# Altium PCB AVALON2_21b.PcbDoc (part 4 of 7) (continued)
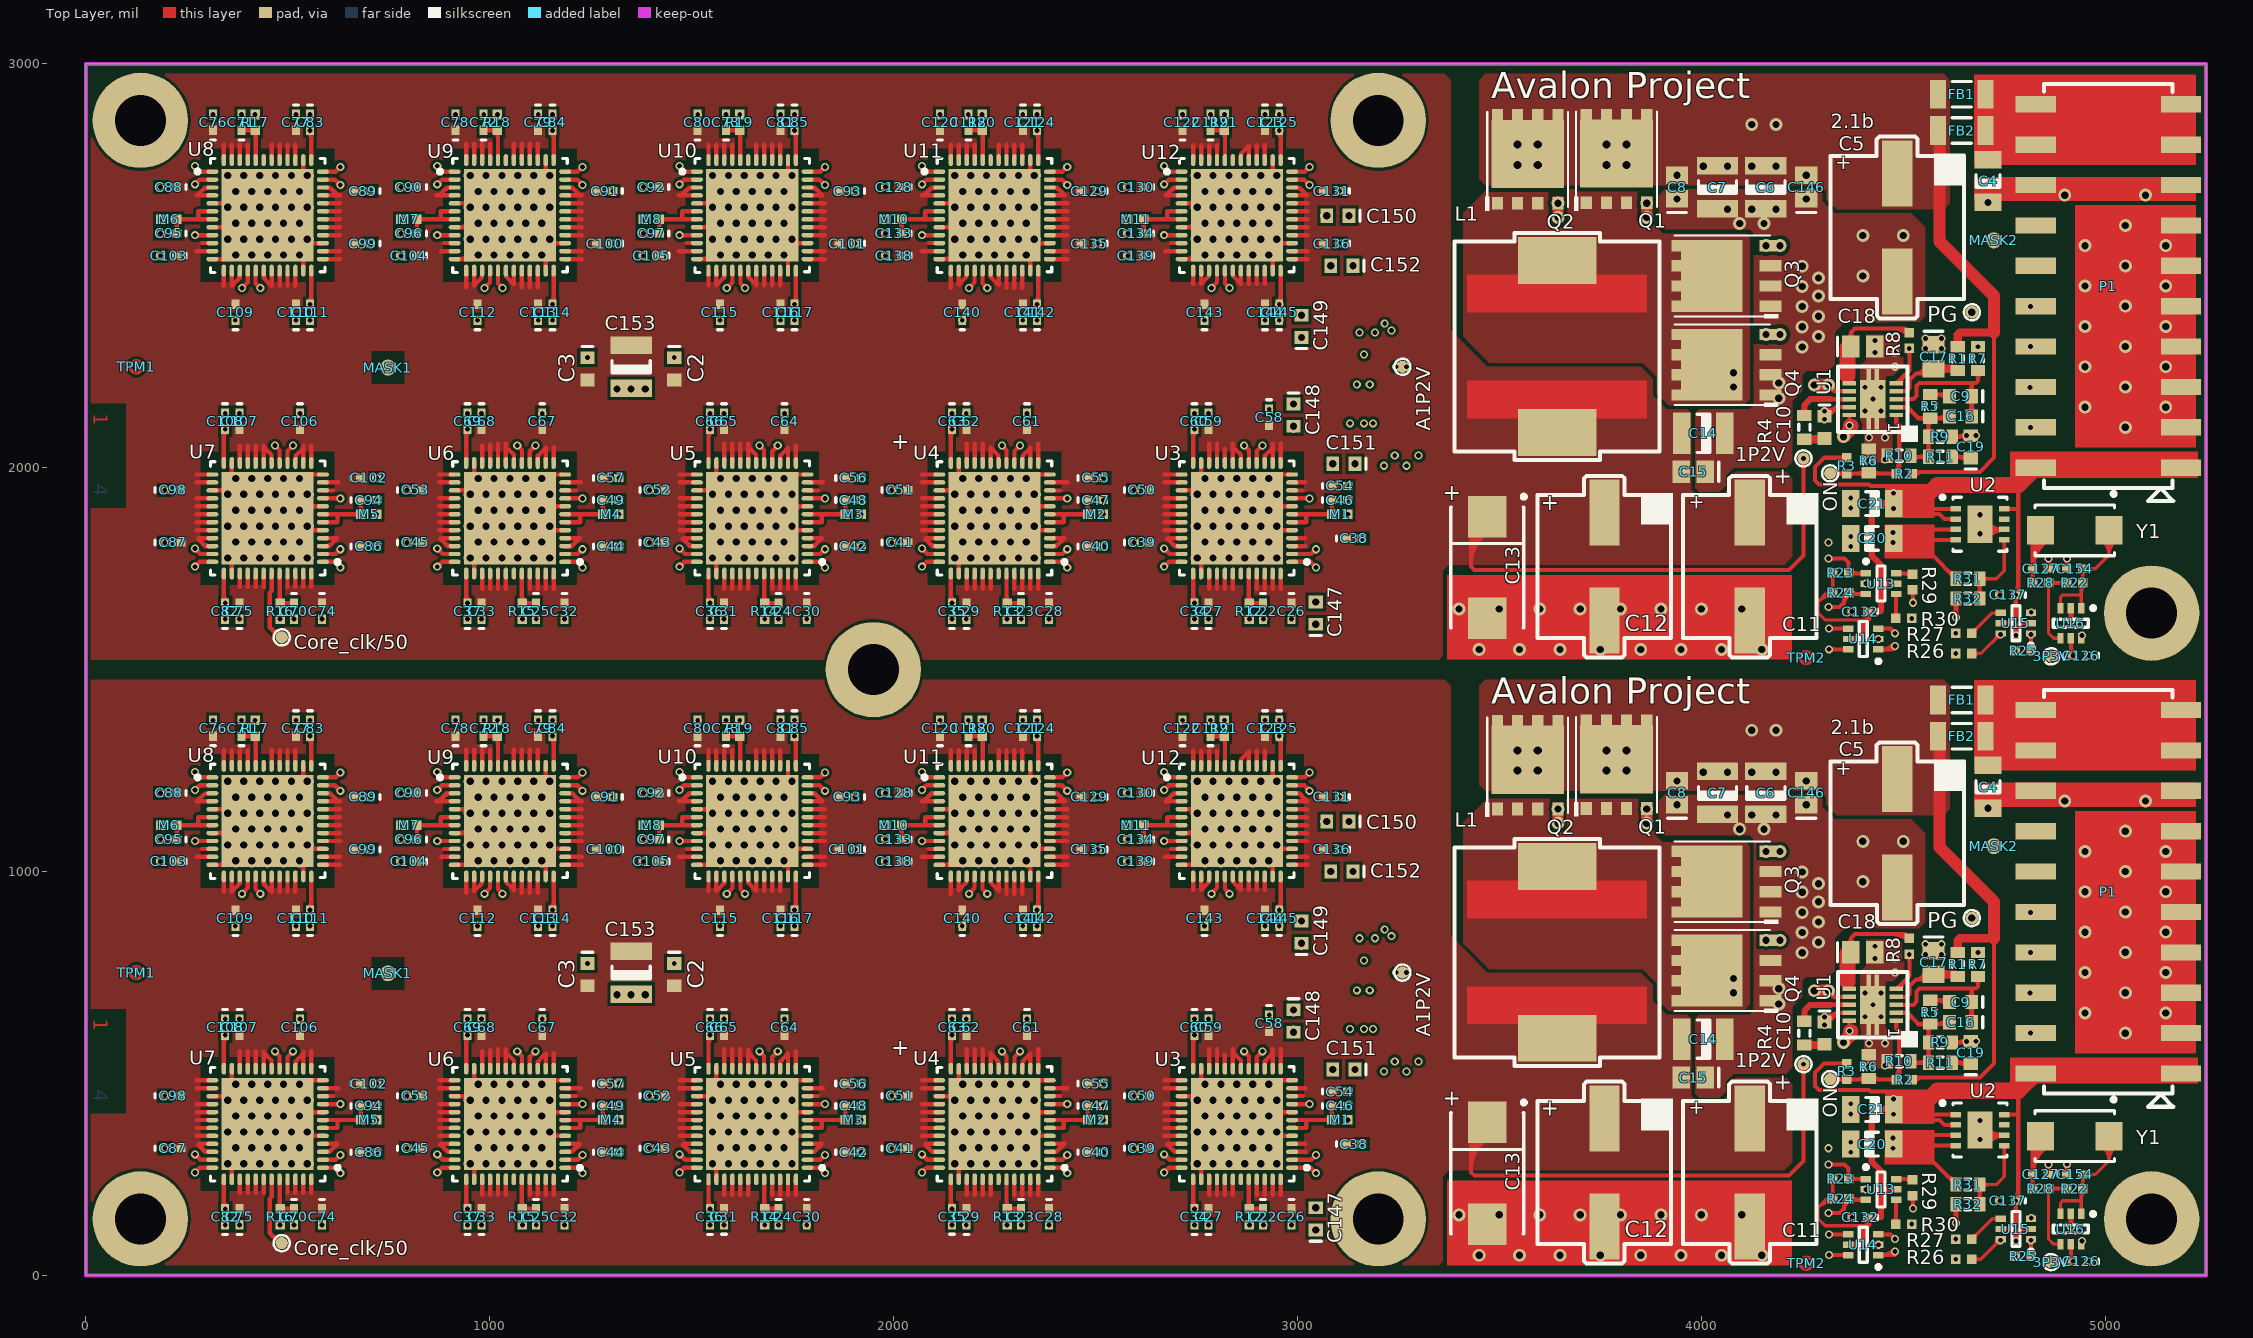
[diagram p0: Top Layer view]
## Nets (pads, with @x,y where several pads share a name; then routed paths per layer and width w, separated by ;. In a path a pad name is that pad's centre, name@x,y a point inside that pad or via, vN(x,y) a via of type N, cw(c..) or ccw(c..) an arc to the next point about the centre after c; other vN are vias at no path point) (continued)
NetC72_1: C72.1 R18.1 U9.44 | length 325.7
  Top Layer w11: C72.1@985,1335.32 R18.1@1020,1335.32 ; C72.1@985,2835.32 R18.1@1020,2835.32 ; C72.1@988.07,1332.24 cw(c995.48,1324.83) 995.48,1335.32 cw(c995.48,1345.8) C72.1@988.07,1338.39 ; C72.1@988.07,2832.24 cw(c995.48,2824.83) 995.48,2835.32 cw(c995.48,2845.8) C72.1@988.07,2838.39 ; R18.1@1014.54,1339.78 cw(c1003.76,1350.55) 1003.76,1335.31 cw(c1003.76,1320.08) 1014.54,1330.85 cw(c1000.21,1316.52) 1020.47,1316.52 ; R18.1@1014.54,2839.78 cw(c1003.76,2850.55) 1003.76,2835.32 cw(c1003.76,2820.08) 1014.54,2830.85 cw(c1000.21,2816.52) 1020.47,2816.52 ; U9.44@1020.47,1263.8 R18.1@1020.47,1335.32 ; U9.44@1020.47,2763.8 R18.1@1020.47,2835.32
NetC73_1: C73.1 R19.1 U10.44 | length 326.7
  Top Layer w11: C73.1@1585,1335.32 R19.1@1619,1335.32 R19.1@1620,1335.32 ; C73.1@1585,2835.32 R19.1@1619,2835.32 R19.1@1620,2835.32 ; C73.1@1588.07,1332.24 cw(c1595.48,1324.83) 1595.48,1335.32 cw(c1595.48,1345.8) C73.1@1588.07,1338.39 ; C73.1@1588.07,2832.24 cw(c1595.48,2824.83) 1595.48,2835.32 cw(c1595.48,2845.8) C73.1@1588.07,2838.39 ; R19.1@1614.54,1339.78 cw(c1603.76,1350.55) 1603.76,1335.31 cw(c1603.76,1320.08) 1614.54,1330.85 cw(c1600.21,1316.52) 1620.47,1316.52 ; R19.1@1614.54,2839.78 cw(c1603.76,2850.55) 1603.76,2835.32 cw(c1603.76,2820.08) 1614.54,2830.85 cw(c1600.21,2816.52) 1620.47,2816.52 ; U10.44@1620.47,1261.83 R19.1@1620.47,1333.84 ; U10.44@1620.47,2761.83 R19.1@1620.47,2833.84
NetC94_1: C94.1 M5.1 U7.6 U7.7 | length 497.2
  Top Layer w11: U7.6@588.78,365.16 623,365.16 623,383.84 ; U7.7@588.78,384.84 M5.1@680.16,384.84 ; U7.6@588.78,1865.16 623,1865.16 623,1883.84 ; U7.7@588.78,1884.84 M5.1@680.16,1884.84 ; 664.7,384.84 ccw(c664.7,400.62) 675.85,389.46 ccw(c665.46,399.86) 680.16,399.86 ; 664.7,1884.84 ccw(c664.7,1900.62) 675.85,1889.46 ccw(c665.46,1899.86) 680.16,1899.86 ; 665.46,384.84 cw(c665.46,370.14) M5.1@675.85,380.54 ; 665.46,1884.84 cw(c665.46,1870.14) M5.1@675.85,1880.54 ; C94.1@677.24,416.93 cw(c670.21,409.9) 680.16,409.9 ; C94.1@677.24,1916.93 cw(c670.21,1909.9) 680.16,1909.9 ; 680.16,400.62 ccw(c695.93,400.62) M5.1@684.78,389.46 ; 680.16,409.14 cw(c691.18,409.14) C94.1@683.39,416.93 ; C94.1@680.16,419.84 M5.1@680.16,384.84 ; 680.16,1900.62 ccw(c695.93,1900.62) M5.1@684.78,1889.46 ; 680.16,1909.14 cw(c691.18,1909.14) C94.1@683.39,1916.93 ; C94.1@680.16,1919.84 M5.1@680.16,1884.84 ; M5.1@685.16,384.84 M5.1@680.16,384.84 ; M5.1@685.16,1884.84 M5.1@680.16,1884.84
NetC95_1: C95.1 M6.1 U8.6 U8.7 | length 486.9
  Top Layer w11: M6.1@220,1115.16 U8.7@311.22,1115.16 ; M6.1@220,2615.16 U8.7@311.22,2615.16 ; M6.1@220.06,1110.54 cw(c208.91,1099.38) 224.69,1099.38 ; M6.1@220.06,2610.54 cw(c208.91,2599.38) 224.69,2599.38 ; C95.1@221.46,1083.07 ccw(c213.66,1090.86) 224.69,1090.86 ; C95.1@221.46,2583.07 ccw(c213.66,2590.86) 224.69,2590.86 ; C95.1@224.69,1080.16 M6.1@224.69,1115.16 ; 224.69,1090.1 ccw(c234.63,1090.1) C95.1@227.6,1083.07 ; 224.69,1100.14 cw(c239.38,1100.14) 228.99,1110.54 cw(c240.14,1099.38) 240.14,1115.16 ; C95.1@224.69,2580.16 M6.1@224.69,2615.16 ; 224.69,2590.1 ccw(c234.63,2590.1) C95.1@227.6,2583.07 ; 224.69,2600.14 cw(c239.38,2600.14) 228.99,2610.54 cw(c240.14,2599.38) 240.14,2615.16 ; M6.1@228.99,1119.46 ccw(c239.38,1129.86) 239.38,1115.16 ; M6.1@228.99,2619.46 ccw(c239.38,2629.86) 239.38,2615.16 ; 278,1115.16 278,1134.84 U8.6@311.22,1134.84 ; 278,2615.16 278,2634.84 U8.6@311.22,2634.84
NetC96_1: C96.1 M7.1 U9.6 U9.7 | length 495.2
  Top Layer w11: M7.1@814.84,1115.16 M7.1@819.84,1115.16 ; M7.1@814.84,2615.16 M7.1@819.84,2615.16 ; M7.1@815.22,1110.54 cw(c804.07,1099.38) 819.84,1099.38 ; M7.1@815.22,2610.54 cw(c804.07,2599.38) 819.84,2599.38 ; C96.1@816.61,1083.07 ccw(c808.82,1090.86) 819.84,1090.86 ; C96.1@816.61,2583.07 ccw(c808.82,2590.86) 819.84,2590.86 ; C96.1@819.84,1080.16 M7.1@819.84,1115.16 ; 819.84,1090.1 ccw(c829.79,1090.1) C96.1@822.76,1083.07 ; 819.84,1100.14 cw(c834.54,1100.14) 824.15,1110.54 cw(c835.3,1099.38) 835.3,1115.16 ; C96.1@819.84,2580.16 M7.1@819.84,2615.16 ; 819.84,2590.1 ccw(c829.79,2590.1) C96.1@822.76,2583.07 ; 819.84,2600.14 cw(c834.54,2600.14) 824.15,2610.54 cw(c835.3,2599.38) 835.3,2615.16 ; M7.1@824.15,1119.46 ccw(c834.54,1129.86) 834.54,1115.16 ; M7.1@824.15,2619.46 ccw(c834.54,2629.86) 834.54,2615.16 ; U9.7@911.22,1115.16 879,1115.16 ; U9.6@911.22,1134.84 879,1134.84 879,1115.16 ; U9.7@911.22,2615.16 879,2615.16 ; U9.6@911.22,2634.84 879,2634.84 879,2615.16 ; M7.1@819.84,1115.16 879,1115.16 ; M7.1@819.84,2615.16 879,2615.16
NetC97_1: C97.1 M8.1 U10.6 U10.7 | length 495.2
  Top Layer w11: M8.1@1414.84,1115.16 M8.1@1419.84,1115.16 ; M8.1@1414.84,2615.16 M8.1@1419.84,2615.16 ; M8.1@1415.22,1110.54 cw(c1404.07,1099.38) 1419.84,1099.38 ; M8.1@1415.22,2610.54 cw(c1404.07,2599.38) 1419.84,2599.38 ; C97.1@1416.61,1083.07 ccw(c1408.82,1090.86) 1419.84,1090.86 ; C97.1@1416.61,2583.07 ccw(c1408.82,2590.86) 1419.84,2590.86 ; C97.1@1419.84,1080.16 M8.1@1419.84,1115.16 ; 1419.84,1090.1 ccw(c1429.79,1090.1) C97.1@1422.76,1083.07 ; 1419.84,1100.14 cw(c1434.54,1100.14) 1424.15,1110.54 cw(c1435.3,1099.38) 1435.3,1115.16 ; C97.1@1419.84,2580.16 M8.1@1419.84,2615.16 ; 1419.84,2590.1 ccw(c1429.79,2590.1) C97.1@1422.76,2583.07 ; 1419.84,2600.14 cw(c1434.54,2600.14) 1424.15,2610.54 cw(c1435.3,2599.38) 1435.3,2615.16 ; M8.1@1424.15,1119.46 ccw(c1434.54,1129.86) 1434.54,1115.16 ; M8.1@1424.15,2619.46 ccw(c1434.54,2629.86) 1434.54,2615.16 ; 1477,1117.16 1477,1134.84 U10.6@1511.22,1134.84 ; 1477,2617.16 1477,2634.84 U10.6@1511.22,2634.84 ; U10.7@1511.22,1115.16 M8.1@1419.84,1115.16 ; U10.7@1511.22,2615.16 M8.1@1419.84,2615.16
NetC118_1: C118.1 R20.1 U11.44 | length 326.7
  Top Layer w11: C118.1@2185,1335.32 R20.1@2219,1335.32 R20.1@2220,1335.32 ; C118.1@2185,2835.32 R20.1@2219,2835.32 R20.1@2220,2835.32 ; C118.1@2188.07,1332.24 cw(c2195.48,1324.83) 2195.48,1335.32 cw(c2195.48,1345.8) C118.1@2188.07,1338.39 ; C118.1@2188.07,2832.24 cw(c2195.48,2824.83) 2195.48,2835.32 cw(c2195.48,2845.8) C118.1@2188.07,2838.39 ; R20.1@2214.54,1339.78 cw(c2203.76,1350.55) 2203.76,1335.31 cw(c2203.76,1320.08) 2214.54,1330.85 cw(c2200.21,1316.52) 2220.47,1316.52 ; R20.1@2214.54,2839.78 cw(c2203.76,2850.55) 2203.76,2835.32 cw(c2203.76,2820.08) 2214.54,2830.85 cw(c2200.21,2816.52) 2220.47,2816.52 ; U11.44@2220.47,1261.83 R20.1@2220.47,1333.84 ; U11.44@2220.47,2761.83 R20.1@2220.47,2833.84
NetC119_1: C119.1 R21.1 U12.44 | length 346.5
  Top Layer w10: R21.1@2814.18,1330.5 cw(c2799,1315.32) 2820.47,1315.32 ; R21.1@2814.18,2830.5 cw(c2799,2815.32) 2820.47,2815.32 ; U12.44@2820.47,1261.83 R21.1@2820.47,1333.84 ; 2820.47,1322.43 cw(c2831.89,1322.43) R21.1@2823.82,1330.5 ; U12.44@2820.47,2761.83 R21.1@2820.47,2833.84 ; 2820.47,2822.43 cw(c2831.89,2822.43) R21.1@2823.82,2830.5
  Top Layer w11: C119.1@2785,1335.32 R21.1@2819,1335.32 R21.1@2820,1335.32 ; C119.1@2785,2835.32 R21.1@2819,2835.32 R21.1@2820,2835.32 ; C119.1@2788.07,1332.24 cw(c2795.48,1324.83) 2795.48,1335.32 cw(c2795.48,1345.8) C119.1@2788.07,1338.39 ; C119.1@2788.07,2832.24 cw(c2795.48,2824.83) 2795.48,2835.32 cw(c2795.48,2845.8) C119.1@2788.07,2838.39 ; R21.1@2814.54,1330.85 ccw(c2803.76,1320.08) 2803.76,1335.32 ccw(c2803.76,1350.55) R21.1@2814.54,1339.78 ; R21.1@2814.54,2830.85 ccw(c2803.76,2820.08) 2803.76,2835.32 ccw(c2803.76,2850.55) R21.1@2814.54,2839.78
NetC127_2: C127.2 R28.2 Y1.2 | length 938.8
  Top Layer w10: R28.2@4815.5,219.82 ccw(c4803.87,231.44) 4820.31,231.44 ccw(c4836.76,231.44) R28.2@4825.13,219.82 ; R28.2@4815.5,1719.82 ccw(c4803.87,1731.44) 4820.31,1731.44 ccw(c4836.76,1731.44) R28.2@4825.13,1719.82 ; C127.2@4816.89,246.58 cw(c4808.62,238.31) 4820.31,238.31 cw(c4832.01,238.31) C127.2@4823.74,246.58 ; C127.2@4816.89,253.42 ccw(c4808.62,261.69) 4820.31,261.69 ccw(c4832.01,261.69) C127.2@4823.74,253.42 ; C127.2@4816.89,1746.58 cw(c4808.62,1738.31) 4820.31,1738.31 cw(c4832.01,1738.31) C127.2@4823.74,1746.58 ; C127.2@4816.89,1753.42 ccw(c4808.62,1761.69) 4820.31,1761.69 ccw(c4832.01,1761.69) C127.2@4823.74,1753.42 ; R28.2@4820.31,215 C127.2@4820.31,250 4820.31,324.96 Y1.2@4840.35,345 ; C127.2@4820.31,247.87 cw(c4909.45,247.87) Y1.2@4857.08,320 ; 4820.31,267.49 cw(c4895.21,267.49) Y1.2@4851.2,328.09 ; 4820.31,287.11 cw(c4880.96,287.11) Y1.2@4845.33,336.18 ; 4820.31,306.73 cw(c4866.71,306.73) Y1.2@4839.45,344.27 ; R28.2@4820.31,1715 C127.2@4820.31,1750 4820.31,1824.96 Y1.2@4840.35,1845 ; C127.2@4820.31,1747.87 cw(c4909.45,1747.87) Y1.2@4857.08,1820 ; 4820.31,1767.49 cw(c4895.21,1767.49) Y1.2@4851.2,1828.09 ; 4820.31,1787.11 cw(c4880.96,1787.11) Y1.2@4845.33,1836.18 ; 4820.31,1806.73 cw(c4866.71,1806.73) Y1.2@4839.45,1844.27 ; 4824.47,265.01 ccw(c4840.51,261.12) C127.2@4826.42,252.52 ; 4824.47,1765.01 ccw(c4840.51,1761.12) C127.2@4826.42,1752.52
NetC133_1: C133.1 M10.1 U11.6 U11.7 | length 497.2
  Top Layer w11: M10.1@2014.84,1115.16 M10.1@2019.84,1115.16 ; M10.1@2014.84,2615.16 M10.1@2019.84,2615.16 ; M10.1@2015.22,1110.54 cw(c2004.07,1099.38) 2019.84,1099.38 ; M10.1@2015.22,2610.54 cw(c2004.07,2599.38) 2019.84,2599.38 ; C133.1@2016.61,1083.07 ccw(c2008.82,1090.86) 2019.84,1090.86 ; C133.1@2016.61,2583.07 ccw(c2008.82,2590.86) 2019.84,2590.86 ; C133.1@2019.84,1080.16 M10.1@2019.84,1115.16 ; 2019.84,1090.1 ccw(c2029.79,1090.1) C133.1@2022.76,1083.07 ; 2019.84,1100.14 cw(c2034.54,1100.14) 2024.15,1110.54 cw(c2035.3,1099.38) 2035.3,1115.16 ; C133.1@2019.84,2580.16 M10.1@2019.84,2615.16 ; 2019.84,2590.1 ccw(c2029.79,2590.1) C133.1@2022.76,2583.07 ; 2019.84,2600.14 cw(c2034.54,2600.14) 2024.15,2610.54 cw(c2035.3,2599.38) 2035.3,2615.16 ; M10.1@2024.15,1119.46 ccw(c2034.54,1129.86) 2034.54,1115.16 ; M10.1@2024.15,2619.46 ccw(c2034.54,2629.86) 2034.54,2615.16 ; U11.7@2111.22,1115.16 2078,1115.16 ; U11.6@2111.22,1134.84 2078,1134.84 2078,1115.16 ; U11.7@2111.22,2615.16 2078,2615.16 ; U11.6@2111.22,2634.84 2078,2634.84 2078,2615.16 ; M10.1@2019.84,1115.16 2078,1115.16 ; M10.1@2019.84,2615.16 2078,2615.16
NetC134_1: C134.1 M11.1 U12.6 U12.7 | length 497.2
  Top Layer w11: M11.1@2614.84,1115.16 M11.1@2619.84,1115.16 ; M11.1@2614.84,2615.16 M11.1@2619.84,2615.16 ; M11.1@2615.22,1110.54 cw(c2604.07,1099.38) 2619.84,1099.38 ; M11.1@2615.22,2610.54 cw(c2604.07,2599.38) 2619.84,2599.38 ; C134.1@2616.61,1083.07 ccw(c2608.82,1090.86) 2619.84,1090.86 ; C134.1@2616.61,2583.07 ccw(c2608.82,2590.86) 2619.84,2590.86 ; C134.1@2619.84,1080.16 M11.1@2619.84,1115.16 ; 2619.84,1090.1 ccw(c2629.79,1090.1) C134.1@2622.76,1083.07 ; 2619.84,1100.14 cw(c2634.54,1100.14) 2624.15,1110.54 cw(c2635.3,1099.38) 2635.3,1115.16 ; C134.1@2619.84,2580.16 M11.1@2619.84,2615.16 ; 2619.84,2590.1 ccw(c2629.79,2590.1) C134.1@2622.76,2583.07 ; 2619.84,2600.14 cw(c2634.54,2600.14) 2624.15,2610.54 cw(c2635.3,2599.38) 2635.3,2615.16 ; M11.1@2624.15,1119.46 ccw(c2634.54,1129.86) 2634.54,1115.16 ; M11.1@2624.15,2619.46 ccw(c2634.54,2629.86) 2634.54,2615.16 ; U12.7@2711.22,1115.16 2678,1115.16 ; U12.6@2711.22,1134.84 2678,1134.84 2678,1115.16 ; U12.7@2711.22,2615.16 2678,2615.16 ; U12.6@2711.22,2634.84 2678,2634.84 2678,2615.16 ; M11.1@2619.84,1115.16 2678,1115.16 ; M11.1@2619.84,2615.16 2678,2615.16
NetC154_2: C154.2 R22.2 U16.1 U16.3 Y1.1 | length 1163
  Top Layer w8: U16.3@4886.67,160.06 ccw(c4880.06,166.68) 4889.41,166.68 ccw(c4898.76,166.68) U16.3@4892.15,160.06 ; U16.3@4886.67,1660.06 ccw(c4880.06,1666.68) 4889.41,1666.68 ccw(c4898.76,1666.68) U16.3@4892.15,1660.06 ; U16.3@4889.41,152.4 4889.41,179.41 4895,185 4940,185 ; U16.3@4889.41,1652.4 4889.41,1679.41 4895,1685 4940,1685 ; U16.1@4937.85,160.06 ccw(c4931.24,166.68) 4940.59,166.68 ccw(c4949.94,166.68) U16.1@4943.33,160.06 ; U16.1@4937.85,1660.06 ccw(c4931.24,1666.68) 4940.59,1666.68 ccw(c4949.94,1666.68) U16.1@4943.33,1660.06 ; R22.2@4939.16,220.52 ccw(c4925.83,233.86) 4944.69,233.86 ccw(c4963.54,233.86) R22.2@4950.21,220.52 ; R22.2@4939.16,1720.52 ccw(c4925.83,1733.86) 4944.69,1733.86 ccw(c4963.54,1733.86) R22.2@4950.21,1720.52 ; C154.2@4940.55,245.87 cw(c4930.58,235.9) 4944.69,235.9 cw(c4958.79,235.9) C154.2@4948.82,245.87 ; C154.2@4940.55,1745.87 cw(c4930.58,1735.9) 4944.69,1735.9 cw(c4958.79,1735.9) C154.2@4948.82,1745.87 ; U16.1@4940.59,152.4 R22.2@4940.59,210.91 ; 4940.59,186.26 cw(c4973.43,186.26) R22.2@4950.21,209.48 ; U16.1@4940.59,1652.4 R22.2@4940.59,1710.91 ; 4940.59,1686.26 cw(c4973.43,1686.26) R22.2@4950.21,1709.48 ; R22.2@4944.69,215 C154.2@4944.69,250 4975,250 5009.65,284.65 ; R22.2@4944.69,1715 C154.2@4944.69,1750 4975,1750 5009.65,1784.65 ; C154.2@4950.78,245.87 cw(c4960.76,235.9) 4960.76,250 cw(c4960.76,264.11) C154.2@4950.78,254.13 ; C154.2@4950.78,1745.87 cw(c4960.76,1735.9) 4960.76,1750 cw(c4960.76,1764.11) C154.2@4950.78,1754.13 ; Y1.1@4992.14,319.33 cw(c4966.54,284.65) 5009.65,284.65 ; Y1.1@4992.14,1819.33 cw(c4966.54,1784.65) 5009.65,1784.65 ; Y1.1@4996.9,325.76 cw(c4978.24,300.5) 5009.65,300.5 cw(c5041.05,300.5) Y1.1@5022.4,325.76 ; Y1.1@4996.9,1825.76 cw(c4978.24,1800.5) 5009.65,1800.5 cw(c5041.05,1800.5) Y1.1@5022.4,1825.76 ; Y1.1@5009.65,345 5009.65,284.65 ; Y1.1@5009.65,1845 5009.65,1784.65 ; Y1.1@5027.15,319.33 ccw(c5052.76,284.65) 5009.65,284.65 ; Y1.1@5027.15,1819.33 ccw(c5052.76,1784.65) 5009.65,1784.65
NetP1_4: P1.4 U14.1 | length 1703.8
  Top Layer w10: U14.1@4438.4,50.41 4471.41,50.41 v3(4480,59) ; U14.1@4438.4,1550.41 4471.41,1550.41 v3(4480,1559) ; U14.1@4447.19,50.41 ccw(c4447.19,91.81) v3@4476.46,62.54 ; U14.1@4447.19,1550.41 ccw(c4447.19,1591.81) v3@4476.46,1562.54 ; 4471.33,50.41 ccw(c4471.33,67.67) v3@4483.54,55.46 ; 4471.33,1550.41 ccw(c4471.33,1567.67) v3@4483.54,1555.46 ; v3@4475,59 cw(c4462.93,59) 4471.46,50.46 cw(c4480,41.93) v3@4480,54 ; v3@4475,1559 cw(c4462.93,1559) 4471.46,1550.46 cw(c4480,1541.93) v3@4480,1554
  Mid-Layer 2 w10: v3(4480,59) 4521,59 4815,353 v2(4815,600) ; v3(4480,1559) 4521,1559 4815,1853 v2(4815,2100) ; v3@4483.54,55.46 cw(c4492.07,46.93) 4492.07,59 cw(c4492.07,71.07) v3@4483.54,62.54 ; v3@4483.54,1555.46 cw(c4492.07,1546.93) 4492.07,1559 cw(c4492.07,1571.07) v3@4483.54,1562.54 ; v2@4811.46,596.46 cw(c4802.93,587.93) 4815,587.93 cw(c4827.07,587.93) v2@4818.54,596.46 ; v2@4811.46,2096.46 cw(c4802.93,2087.93) 4815,2087.93 cw(c4827.07,2087.93) v2@4818.54,2096.46
NetP1_6: P1.6 U14.3 | length 1748.1
  Top Layer w10: U14.3@4438.4,101.59 4468.41,101.59 v3(4480,90) ; U14.3@4438.4,1601.59 4468.41,1601.59 v3(4480,1590) ; v3@4475,90 ccw(c4462.93,90) 4471.46,98.54 ccw(c4480,107.07) v3@4480,95 ; v3@4475,1590 ccw(c4462.93,1590) 4471.46,1598.54 ccw(c4480,1607.07) v3@4480,1595
  Mid-Layer 2 w10: v3(4480,90) 4520,90 4609,179 4609,418.09 4790,599.09 4790,675 v2(4814,699) ; v3(4480,1590) 4520,1590 4609,1679 4609,1918.09 4790,2099.09 4790,2175 v2(4814,2199) ; v3@4483.54,86.46 cw(c4492.07,77.93) 4492.07,90 cw(c4492.07,102.07) v3@4483.54,93.54 ; v3@4483.54,1586.46 cw(c4492.07,1577.93) 4492.07,1590 cw(c4492.07,1602.07) v3@4483.54,1593.54 ; v2@4809,699 cw(c4796.93,699) 4805.46,690.46 cw(c4814,681.93) v2@4814,694 ; v2@4809,2199 cw(c4796.93,2199) 4805.46,2190.46 cw(c4814,2181.93) v2@4814,2194
NetP1_8: P1.8 R30.1 | length 1667.4
  Mid-Layer 2 w10: v7@4520,125 v7@4521,125 ; v7@4520,1625 v7@4521,1625 ; v7(4521,127) 4584,190 4584,418.54 4759,593.54 4759,744 v2(4815,800) ; v7@4521,132 ccw(c4521,144.07) 4529.54,135.54 ccw(c4538.07,127) v7@4526,127 ; v7(4521,1627) 4584,1690 4584,1918.54 4759,2093.54 4759,2244 v2(4815,2300) ; v7@4521,1632 ccw(c4521,1644.07) 4529.54,1635.54 ccw(c4538.07,1627) v7@4526,1627 ; v2@4810,800 cw(c4797.93,800) 4806.46,791.46 cw(c4815,782.93) v2@4815,795 ; v2@4810,2300 cw(c4797.93,2300) 4806.46,2291.46 cw(c4815,2282.93) v2@4815,2295
NetP1_10: P1.10 R29.1 | length 1928.6
  Top Layer w10: R29.1@4518.18,192.5 cw(c4504.14,178.46) 4524,178.46 ; R29.1@4518.18,1692.5 cw(c4504.14,1678.46) 4524,1678.46 ; v7@4520.46,169.17 ccw(c4511.93,177.7) 4524,177.7 ccw(c4536.07,177.7) v7@4527.54,169.17 ; v7@4520.46,1669.17 ccw(c4511.93,1677.7) 4524,1677.7 ccw(c4536.07,1677.7) v7@4527.54,1669.17 ; v7@4524,171.63 R29.1@4524,199.32 ; 4524,183.29 cw(c4537.03,183.29) R29.1@4527.82,192.5 ; v7@4524,1671.63 R29.1@4524,1699.32 ; 4524,1683.29 cw(c4537.03,1683.29) R29.1@4527.82,1692.5
  Mid-Layer 2 w10: v7(4524,165.63) 4559.32,200.95 4559.32,419.32 4725,585 4725,809 v2(4815,899) ; v7@4524,170.63 ccw(c4524,182.7) 4532.54,174.17 ccw(c4541.07,165.63) v7@4529,165.63 ; v7(4524,1665.63) 4559.32,1700.95 4559.32,1919.32 4725,2085 4725,2309 v2(4815,2399) ; v7@4524,1670.63 ccw(c4524,1682.7) 4532.54,1674.17 ccw(c4541.07,1665.63) v7@4529,1665.63 ; v2@4810,899 cw(c4797.93,899) 4806.46,890.46 cw(c4815,881.93) v2@4815,894 ; v2@4810,2399 cw(c4797.93,2399) 4806.46,2390.46 cw(c4815,2381.93) v2@4815,2394
NetQ1_4: Q1.4 Q2.4 U1.10 | length 2809.9
  Top Layer w10: v2@4363.39,608.54 ccw(c4354.86,617.07) 4366.93,617.07 ccw(c4379,617.07) v2@4370.46,608.54 ; v2@4363.39,2108.54 ccw(c4354.86,2117.07) 4366.93,2117.07 ccw(c4379,2117.07) v2@4370.46,2108.54 ; v2(4366.93,605) U1.10@4366.93,630.63 ; v2(4366.93,2105) U1.10@4366.93,2130.63
  Top Layer w32: 4367.93,592.93 ccw(c4355.86,605) v2@4372.93,605 ; 4367.93,2092.93 ccw(c4355.86,2105) v2@4372.93,2105 ; v1(4351.93,576.93) ccw(c4333.17,605) v2(4366.93,605) 4366.93,591.93 v1(4351.93,576.93) ; v1(4351.93,2076.93) ccw(c4333.17,2105) v2(4366.93,2105) 4366.93,2091.93 v1(4351.93,2076.93)
  Mid-Layer 2 w32: v1(3645,1155) v1(3645,1120) v1(3865,1120) ; v1(3645,2655) v1(3645,2620) v1(3865,2620) ; v1(3865,1155) v1(3865,1120) ; v1(3865,2655) v1(3865,2620) ; 4366.93,591.93 v1(4351.93,576.93) 4125,576.93 cw(c4125,676.93) 4025,676.93 4025,1045 ccw(c3950,1045) 3950,1120 3928.58,1120 v1(3865,1120) ; 4366.93,2091.93 v1(4351.93,2076.93) 4125,2076.93 cw(c4125,2176.93) 4025,2176.93 4025,2545 ccw(c3950,2545) 3950,2620 3928.58,2620 v1(3865,2620) ; 4367.93,592.93 ccw(c4355.86,605) v2@4372.93,605 ; 4367.93,2092.93 ccw(c4355.86,2105) v2@4372.93,2105
NetQ3_4: Q3.4 Q4.4 U1.7 | length 1293.8
  Top Layer w10: 4330.32,689.68 U1.7@4366.93,689.68 ; 4330.32,2189.68 U1.7@4366.93,2189.68
  Top Layer w12: v1@4315.8,695.03 cw(c4317.27,676.64) 4330.31,689.69 ; v1@4315.8,2195.03 cw(c4317.27,2176.64) 4330.31,2189.69 ; v1@4320,700 4330.32,689.68 ; v1@4320,2200 4330.32,2189.68 ; v1@4324.97,704.2 ccw(c4343.36,702.73) 4330.31,689.69 ; v1@4324.97,2204.2 ccw(c4343.36,2202.73) 4330.31,2189.69
  Top Layer w20: v1@4315.5,700 v1@4320,700 ; v1@4315.5,2200 v1@4320,2200
  Top Layer w32: v1(4280,705) v1(4315,705) ; v1(4280,2205) v1(4315,2205)
  Mid-Layer 2 w32: v1(4160,830) v1(4195,830) ; v1(4160,1050) v1(4195,1050) v1(4195,830) ; v1(4160,2330) v1(4195,2330) ; v1(4160,2550) v1(4195,2550) v1(4195,2330) ; v1(4315,705) v1(4280,705) ; v1(4315,2205) v1(4280,2205) ; v1(4195,830) 4195,815.36 ccw(c4280.36,815.36) 4220,755 4262.93,712.07 ; v1(4195,2330) 4195,2315.36 ccw(c4280.36,2315.36) 4220,2255 4262.93,2212.07 ; 4262.93,712.07 ccw(c4280,729.14) v1(4280,705) ; 4262.93,712.07 ccw(c4280,729.14) v1(4280,705) ; 4262.93,712.07 ccw(c4280,729.14) v1(4280,705) ; 4262.93,2212.07 ccw(c4280,2229.14) v1(4280,2205) ; 4262.93,2212.07 ccw(c4280,2229.14) v1(4280,2205) ; 4262.93,2212.07 ccw(c4280,2229.14) v1(4280,2205)
NetR4_2: R4.2 U1.8 | length 334.9
  Top Layer w11: 4320,670 U1.8@4366.93,670 ; 4320,2170 U1.8@4366.93,2170
  Top Layer w15: R4.2@4250.56,633.97 ccw(c4239.84,644.69) 4255,644.69 ccw(c4270.16,644.69) R4.2@4259.44,633.97 ; R4.2@4250.56,2133.97 ccw(c4239.84,2144.69) 4255,2144.69 ccw(c4270.16,2144.69) R4.2@4259.44,2133.97 ; R4.2@4255,629.53 4255,655 4270,670 4320,670 ; R4.2@4255,2129.53 4255,2155 4270,2170 4320,2170
NetR22_1: R22.1 R28.1 U16.4 | length 602.6
  Top Layer w8: R28.1@4854.16,209.48 cw(c4840.83,196.14) 4859.69,196.14 cw(c4878.54,196.14) R28.1@4865.21,209.48 ; R28.1@4854.16,1709.48 cw(c4840.83,1696.14) 4859.69,1696.14 cw(c4878.54,1696.14) R28.1@4865.21,1709.48 ; R28.1@4859.68,215 4859.68,90.32 4872.4,77.6 U16.4@4889.41,77.6 ; R28.1@4859.68,1715 4859.68,1590.32 4872.4,1577.6 U16.4@4889.41,1577.6 ; U16.4@4886.67,74.86 ccw(c4880.06,68.25) 4880.06,77.6 ccw(c4880.06,86.95) U16.4@4886.67,80.34 ; U16.4@4886.67,1574.86 ccw(c4880.06,1568.25) 4880.06,1577.6 ccw(c4880.06,1586.95) U16.4@4886.67,1580.34
  Top Layer w10: R28.1@4859.68,215 R22.1@4905.32,215 ; R28.1@4859.68,1715 R22.1@4905.32,1715 ; R28.1@4864.5,210.18 cw(c4876.13,198.56) 4876.13,215 cw(c4876.13,231.44) R28.1@4864.5,219.82 ; R28.1@4864.5,1710.18 cw(c4876.13,1698.56) 4876.13,1715 cw(c4876.13,1731.44) R28.1@4864.5,1719.82 ; R22.1@4900.5,210.18 ccw(c4888.87,198.56) 4888.87,215 ccw(c4888.87,231.44) R22.1@4900.5,219.82 ; R22.1@4900.5,1710.18 ccw(c4888.87,1698.56) 4888.87,1715 ccw(c4888.87,1731.44) R22.1@4900.5,1719.82
NetR26_2: R26.2 U15.3 U15.6 | length 628.1
  Top Layer w8: R26.2@4669.69,40 4692.19,40 U15.6@4741.6,89.41 ; R26.2@4669.69,1540 4692.19,1540 U15.6@4741.6,1589.41 ; R26.2@4675.21,34.48 cw(c4688.54,21.14) 4688.54,40 cw(c4688.54,58.86) R26.2@4675.21,45.52 ; R26.2@4675.21,1534.48 cw(c4688.54,1521.14) 4688.54,1540 cw(c4688.54,1558.86) R26.2@4675.21,1545.52 ; 4726.58,74.39 ccw(c4711.57,89.41) U15.6@4732.8,89.41 ; 4726.58,1574.39 ccw(c4711.57,1589.41) U15.6@4732.8,1589.41 ; 4727.67,75.48 cw(c4741,62.14) v2@4741,81 ; 4727.67,1575.48 cw(c4741,1562.14) v2@4741,1581 ; 4729.77,78.1 cw(c4744.64,74.11) U15.6@4740.46,88.92 ; 4729.77,1578.1 cw(c4744.64,1574.11) U15.6@4740.46,1588.92 ; 4732.04,79.85 ccw(c4724.89,87) U15.6@4735,87 ; 4732.04,1579.85 ccw(c4724.89,1587) U15.6@4735,1587
  Mid-Layer 2 w10: v2(4741,87) 4796,142 v2(4817,142) ; v2@4741,92 ccw(c4741,104.07) 4749.54,95.54 ccw(c4758.07,87) v2@4746,87 ; v2(4741,1587) 4796,1642 v2(4817,1642) ; v2@4741,1592 ccw(c4741,1604.07) 4749.54,1595.54 ccw(c4758.07,1587) v2@4746,1587 ; v2@4813.46,138.46 ccw(c4804.93,129.93) 4804.93,142 ccw(c4804.93,154.07) v2@4813.46,145.54 ; v2@4813.46,1638.46 ccw(c4804.93,1629.93) 4804.93,1642 ccw(c4804.93,1654.07) v2@4813.46,1645.54
NetR27_2: R27.2 U15.4 | length 274.4
  Top Layer w8: R27.2@4669.69,90 4720.28,140.59 U15.4@4741.6,140.59 ; R27.2@4669.69,97.81 ccw(c4669.69,116.67) 4683.02,103.33 ccw(c4696.35,90) R27.2@4677.5,90 ; R27.2@4669.69,1590 4720.28,1640.59 U15.4@4741.6,1640.59 ; R27.2@4669.69,1597.81 ccw(c4669.69,1616.67) 4683.02,1603.33 ccw(c4696.35,1590) R27.2@4677.5,1590 ; U15.4@4733.94,137.85 ccw(c4727.32,131.24) 4727.32,140.59 ccw(c4727.32,149.94) U15.4@4733.94,143.33 ; U15.4@4733.94,1637.85 ccw(c4727.32,1631.24) 4727.32,1640.59 ccw(c4727.32,1649.94) U15.4@4733.94,1643.33
NetR29_2: R29.2 U13.6 | length 129
  Top Layer w10: U13.6@4482.4,238.59 R29.2@4521.09,238.59 ; U13.6@4482.4,1738.59 R29.2@4521.09,1738.59 ; 4501.96,238.59 cw(c4501.96,215.64) R29.2@4518.18,231.87 ; 4501.96,1738.59 cw(c4501.96,1715.64) R29.2@4518.18,1731.87 ; 4511.16,238.59 ccw(c4511.16,248.53) R29.2@4518.18,241.5 ; 4511.16,1738.59 ccw(c4511.16,1748.53) R29.2@4518.18,1741.5
NetR30_2: R30.2 U13.4 | length 176.5
  Top Layer w10: R30.2@4476.5,131.82 ccw(c4462.25,146.07) 4482.4,146.07 ; R30.2@4476.5,1631.82 ccw(c4462.25,1646.07) 4482.4,1646.07 ; R30.2@4482.4,127 U13.4@4482.4,189.41 ; 4482.4,140.82 ccw(c4495.13,140.82) R30.2@4486.13,131.82 ; R30.2@4482.4,1627 U13.4@4482.4,1689.41 ; 4482.4,1640.82 ccw(c4495.13,1640.82) R30.2@4486.13,1631.82
NetR31_1: R31.1 R32.1 U2.5 | length 622.4
  Top Layer w8: R32.1@4682.61,186.85 ccw(c4665.92,203.55) 4689.53,203.55 ccw(c4713.14,203.55) R32.1@4696.44,186.85 ; R31.1@4682.61,214.15 cw(c4665.92,197.45) 4689.53,197.45 cw(c4713.14,197.45) R31.1@4696.44,214.15 ; R32.1@4682.61,1686.85 ccw(c4665.92,1703.55) 4689.53,1703.55 ccw(c4713.14,1703.55) R32.1@4696.44,1686.85 ; R31.1@4682.61,1714.15 cw(c4665.92,1697.45) 4689.53,1697.45 cw(c4713.14,1697.45) R31.1@4696.44,1714.15 ; R32.1@4689.53,176 R31.1@4689.53,225 4730,225 4750,245 U2.5@4750.04,321.61 ; R32.1@4689.53,1676 R31.1@4689.53,1725 4730,1725 4750,1745 U2.5@4750.04,1821.61 ; R31.1@4696.44,218.08 cw(c4713.14,201.39) 4713.14,225 cw(c4713.14,248.61) R31.1@4696.44,231.92 ; R31.1@4696.44,1718.08 cw(c4713.14,1701.39) 4713.14,1725 cw(c4713.14,1748.61) R31.1@4696.44,1731.92 ; 4750,314.54 cw(c4757.11,314.54) U2.5@4752.08,319.57 ; 4750,1814.54 cw(c4757.11,1814.54) U2.5@4752.08,1819.57